# Altium PCB STM32F407开发板.PcbDoc (part 1 of 3)
Units mil, origin at the board's own origin, x right, y up, seen from the top; angles counter-clockwise.
Board outline 4744.49 x 3552.76 mil, 4 copper layers (Top Layer, GND02, PWR03, Bottom Layer), stack 30.595 mil thick; 184 components, 201 nets, 899 pads, 620 vias.
Unrouted connection lines stored in the file: 84.
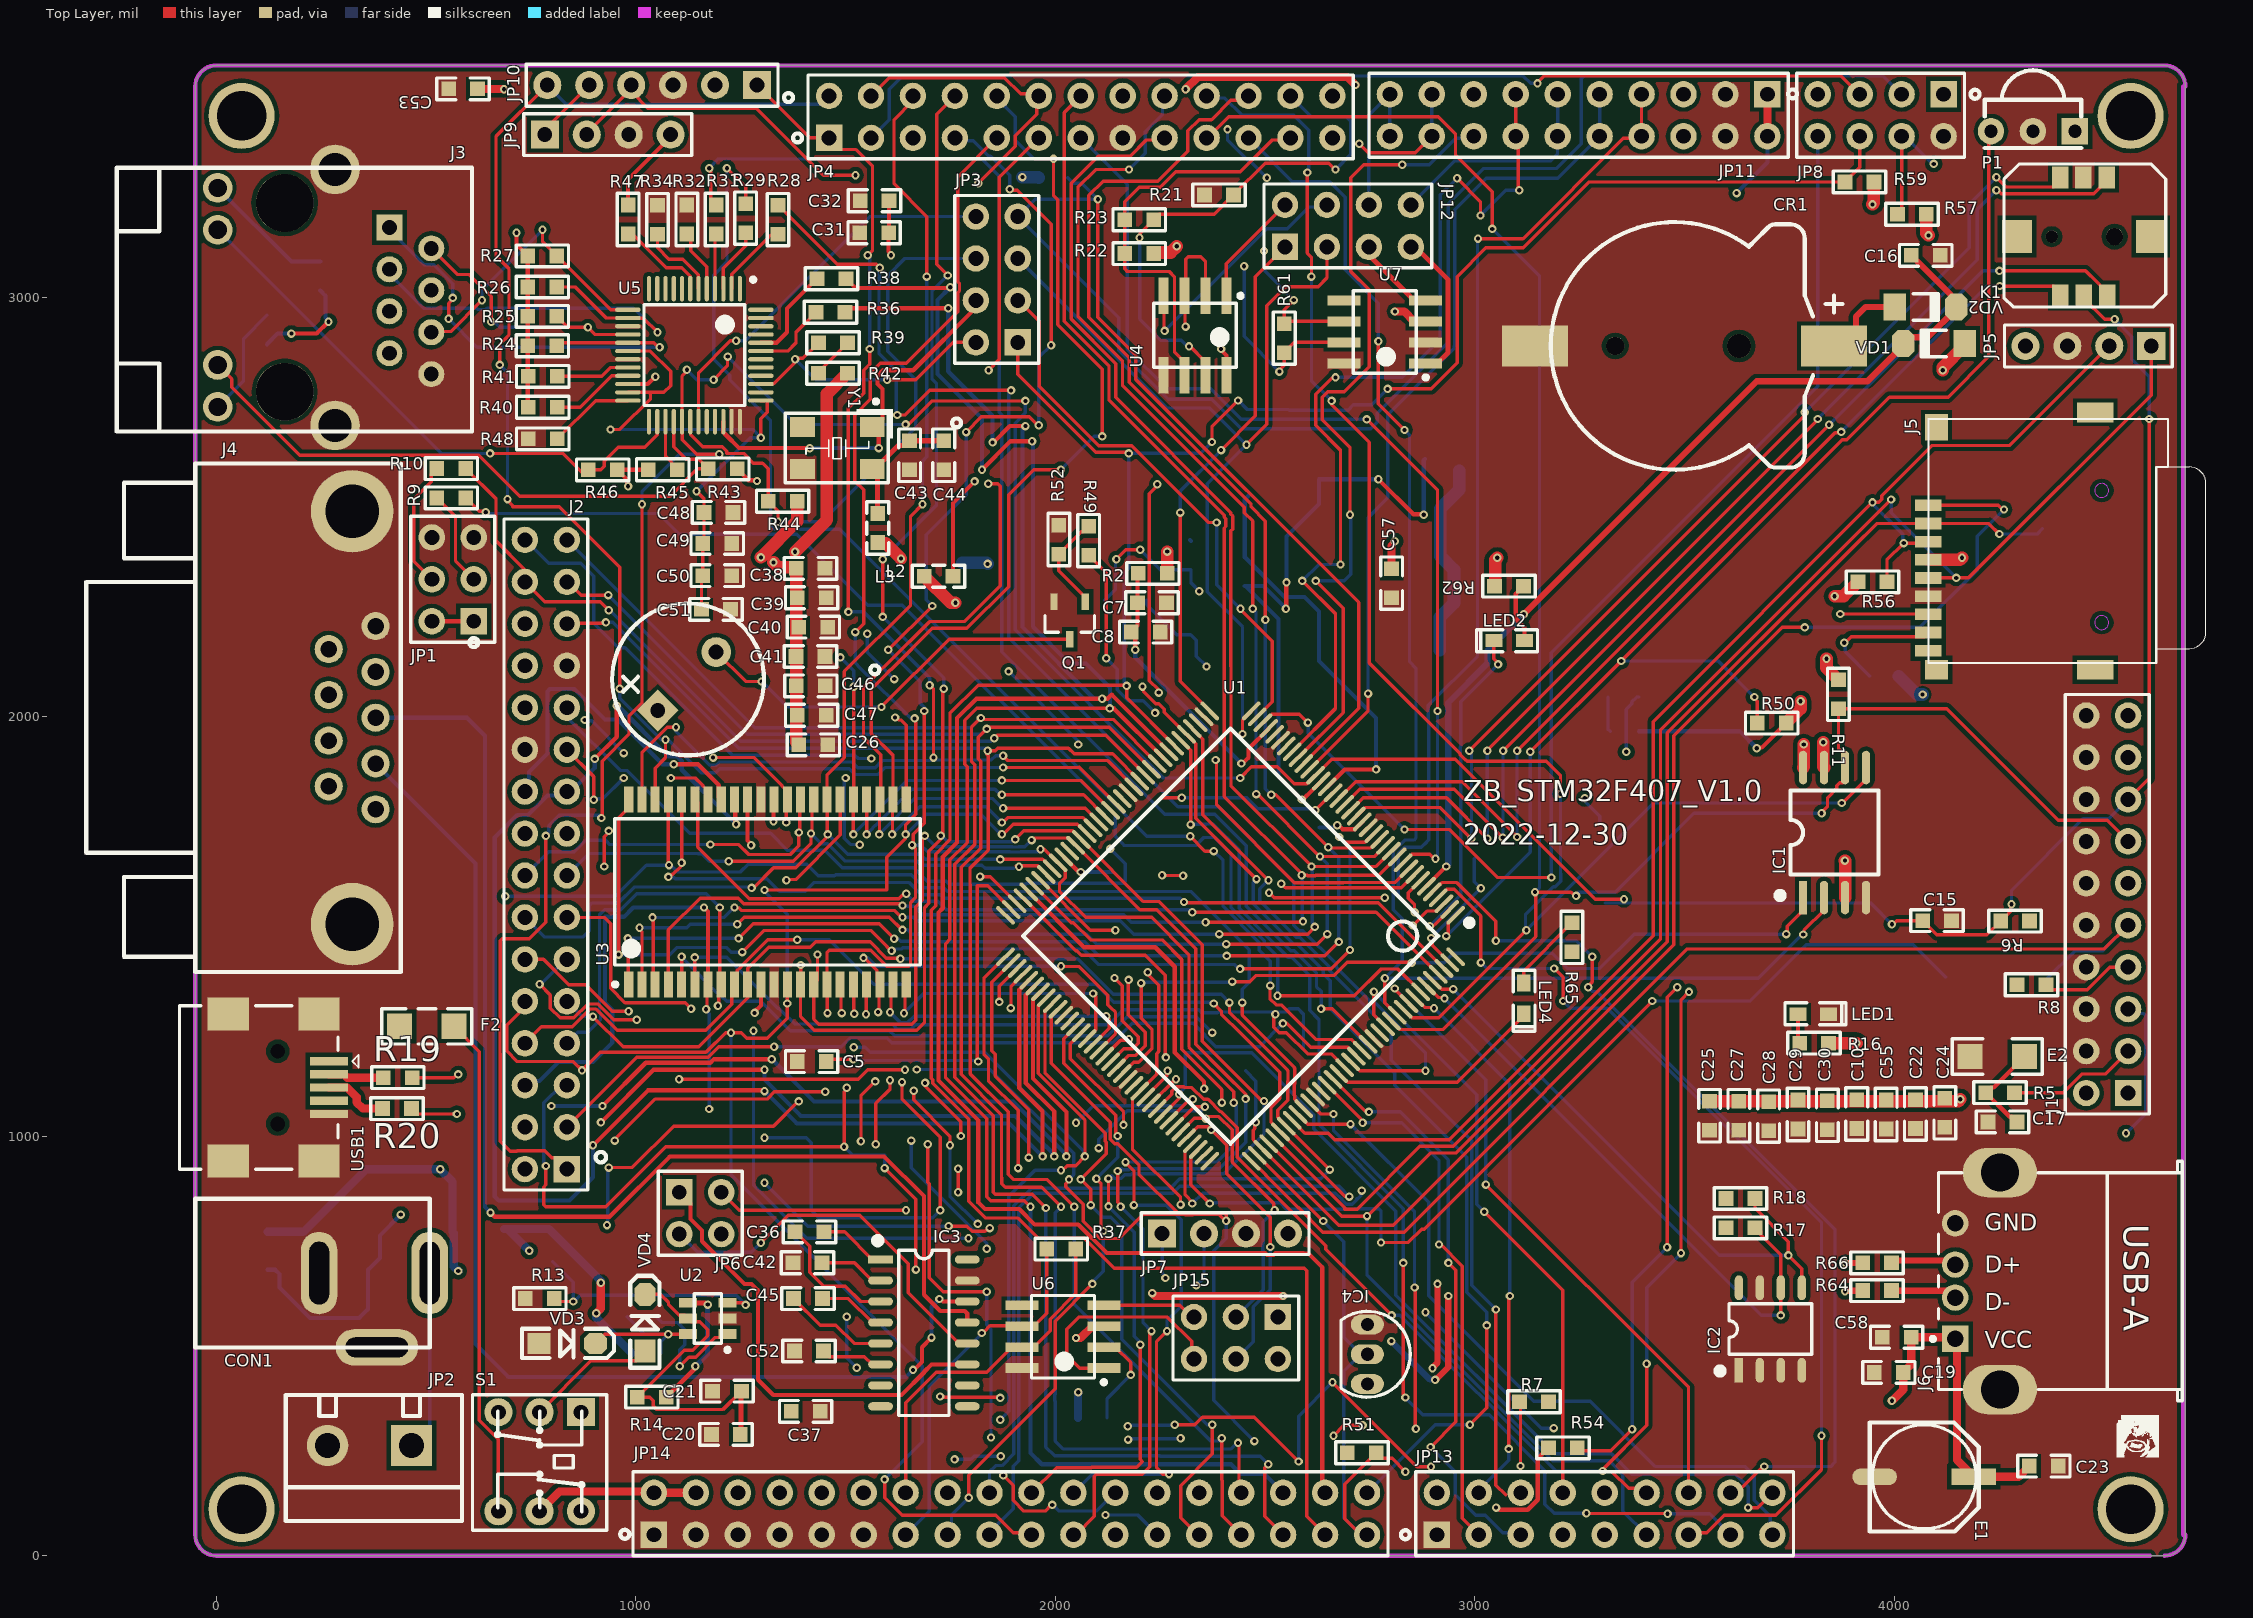
[diagram p0: Top Layer view]
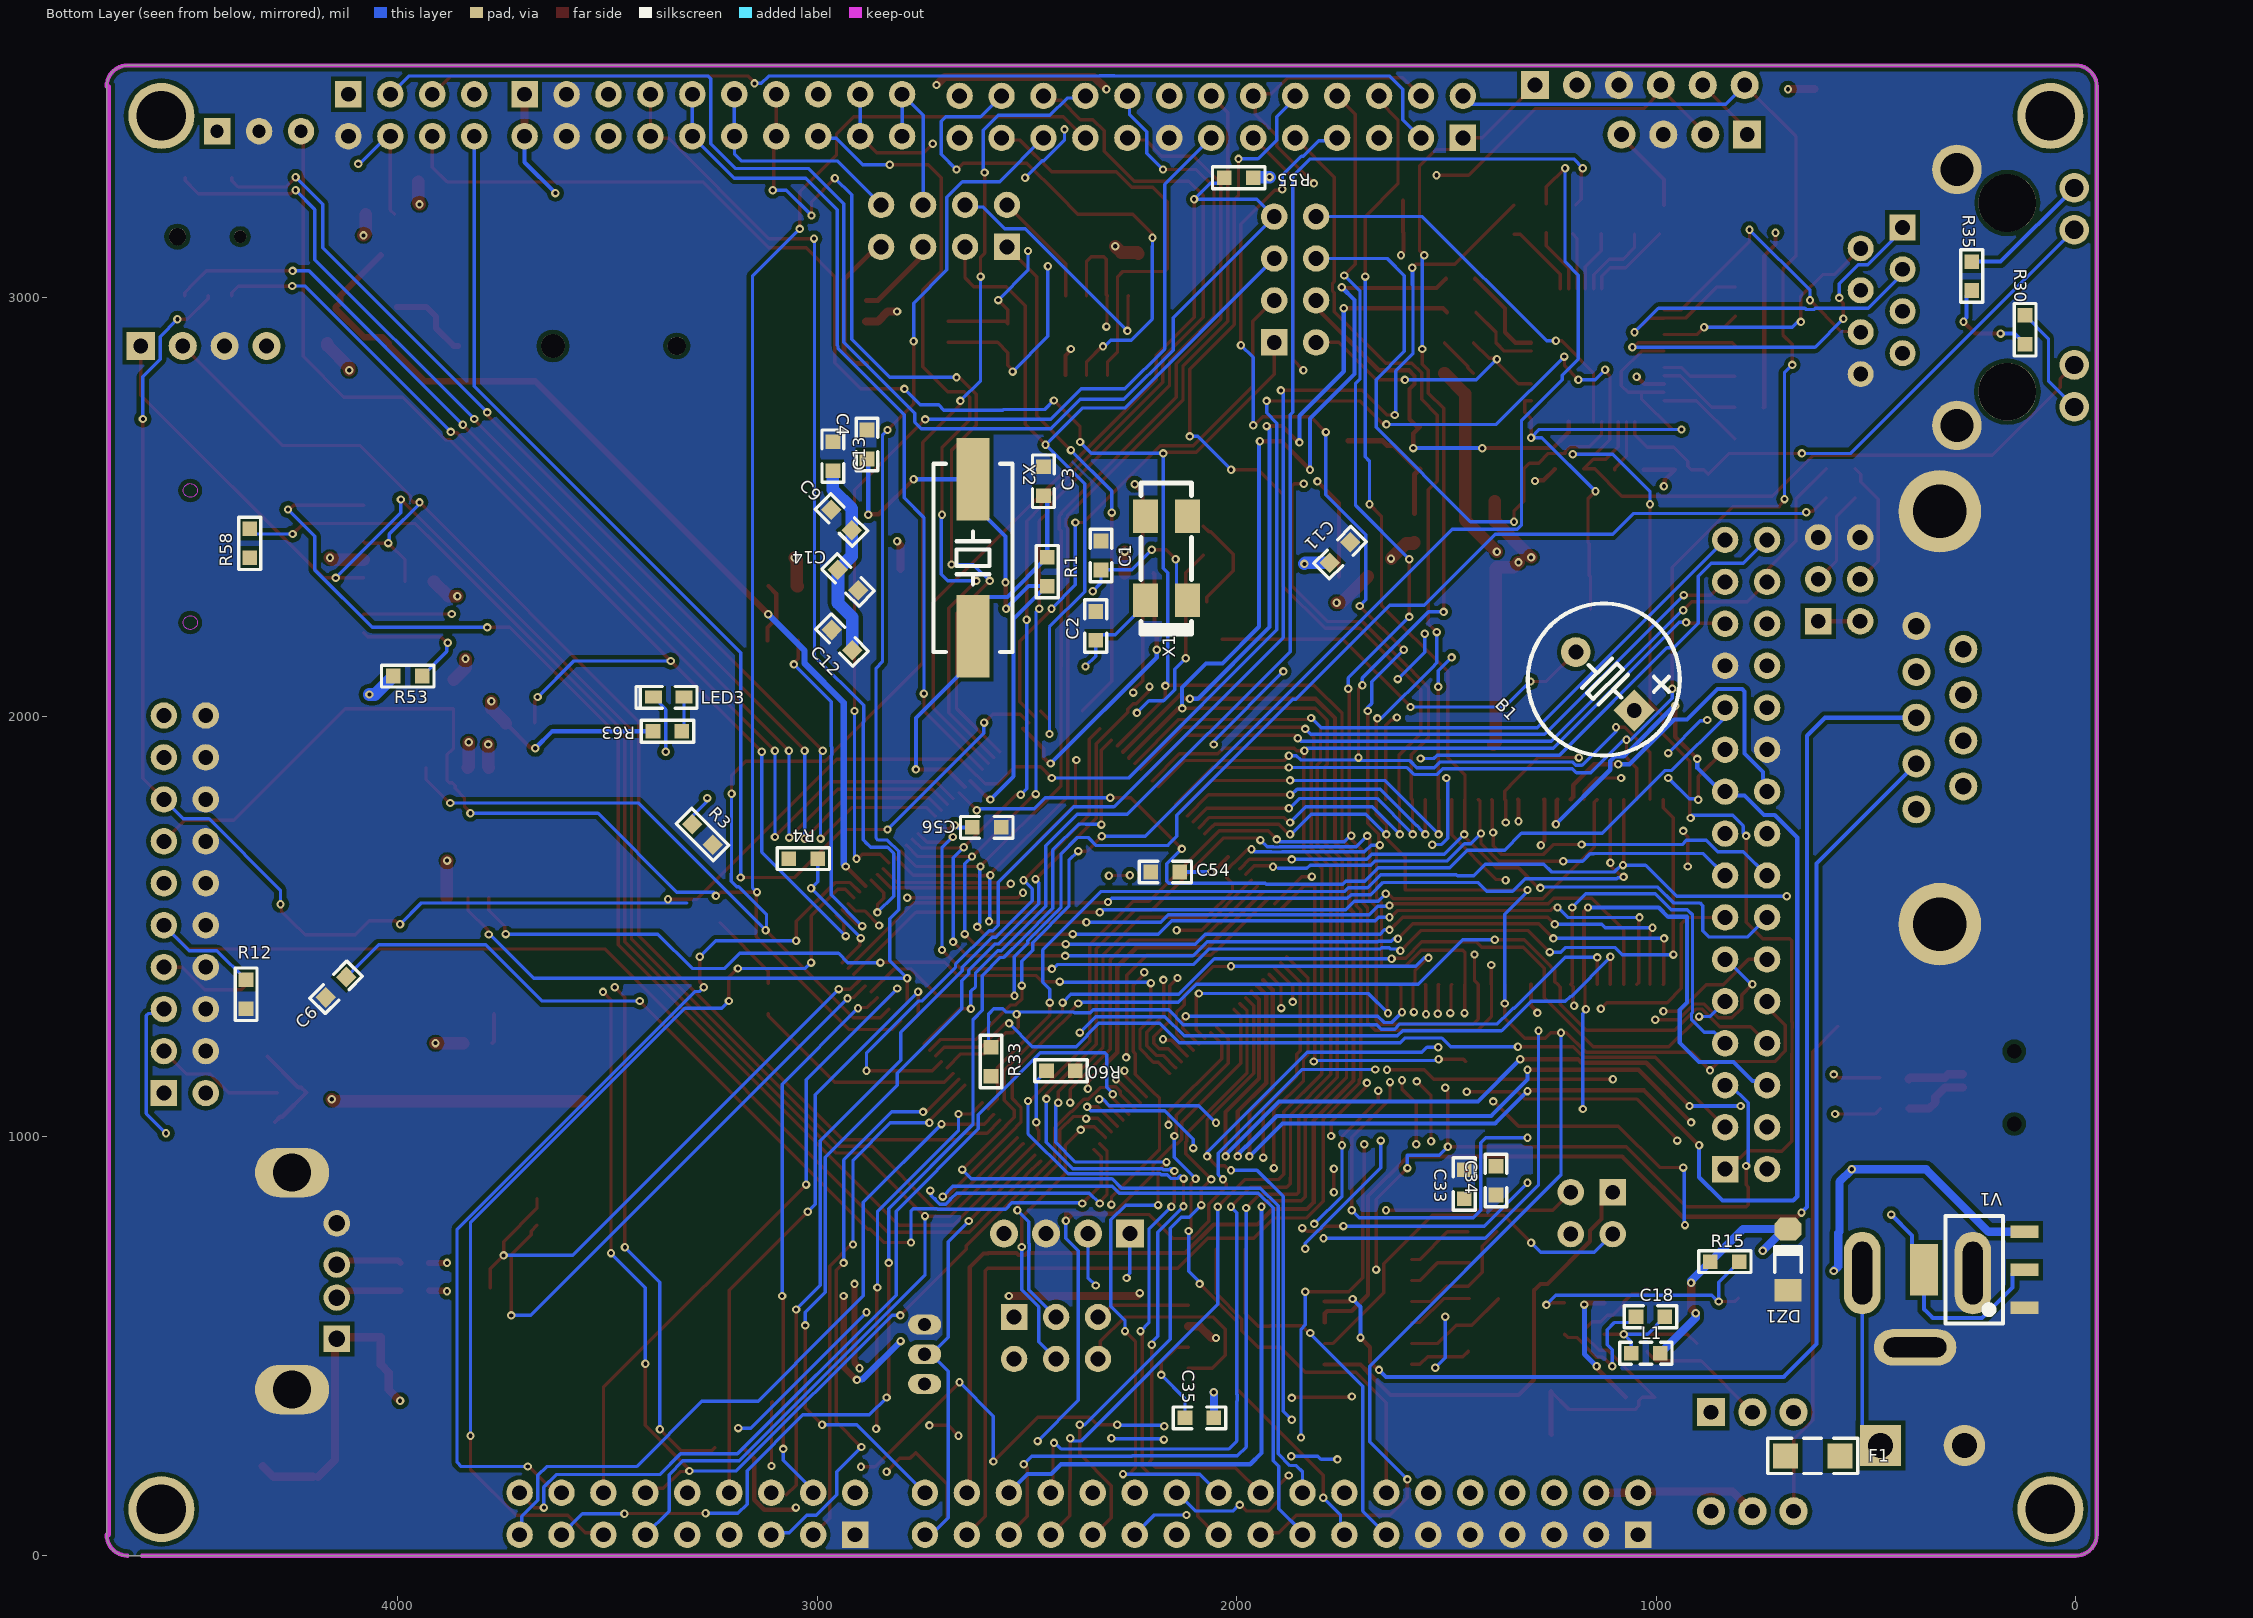
[diagram p1: Bottom Layer view, seen from below]
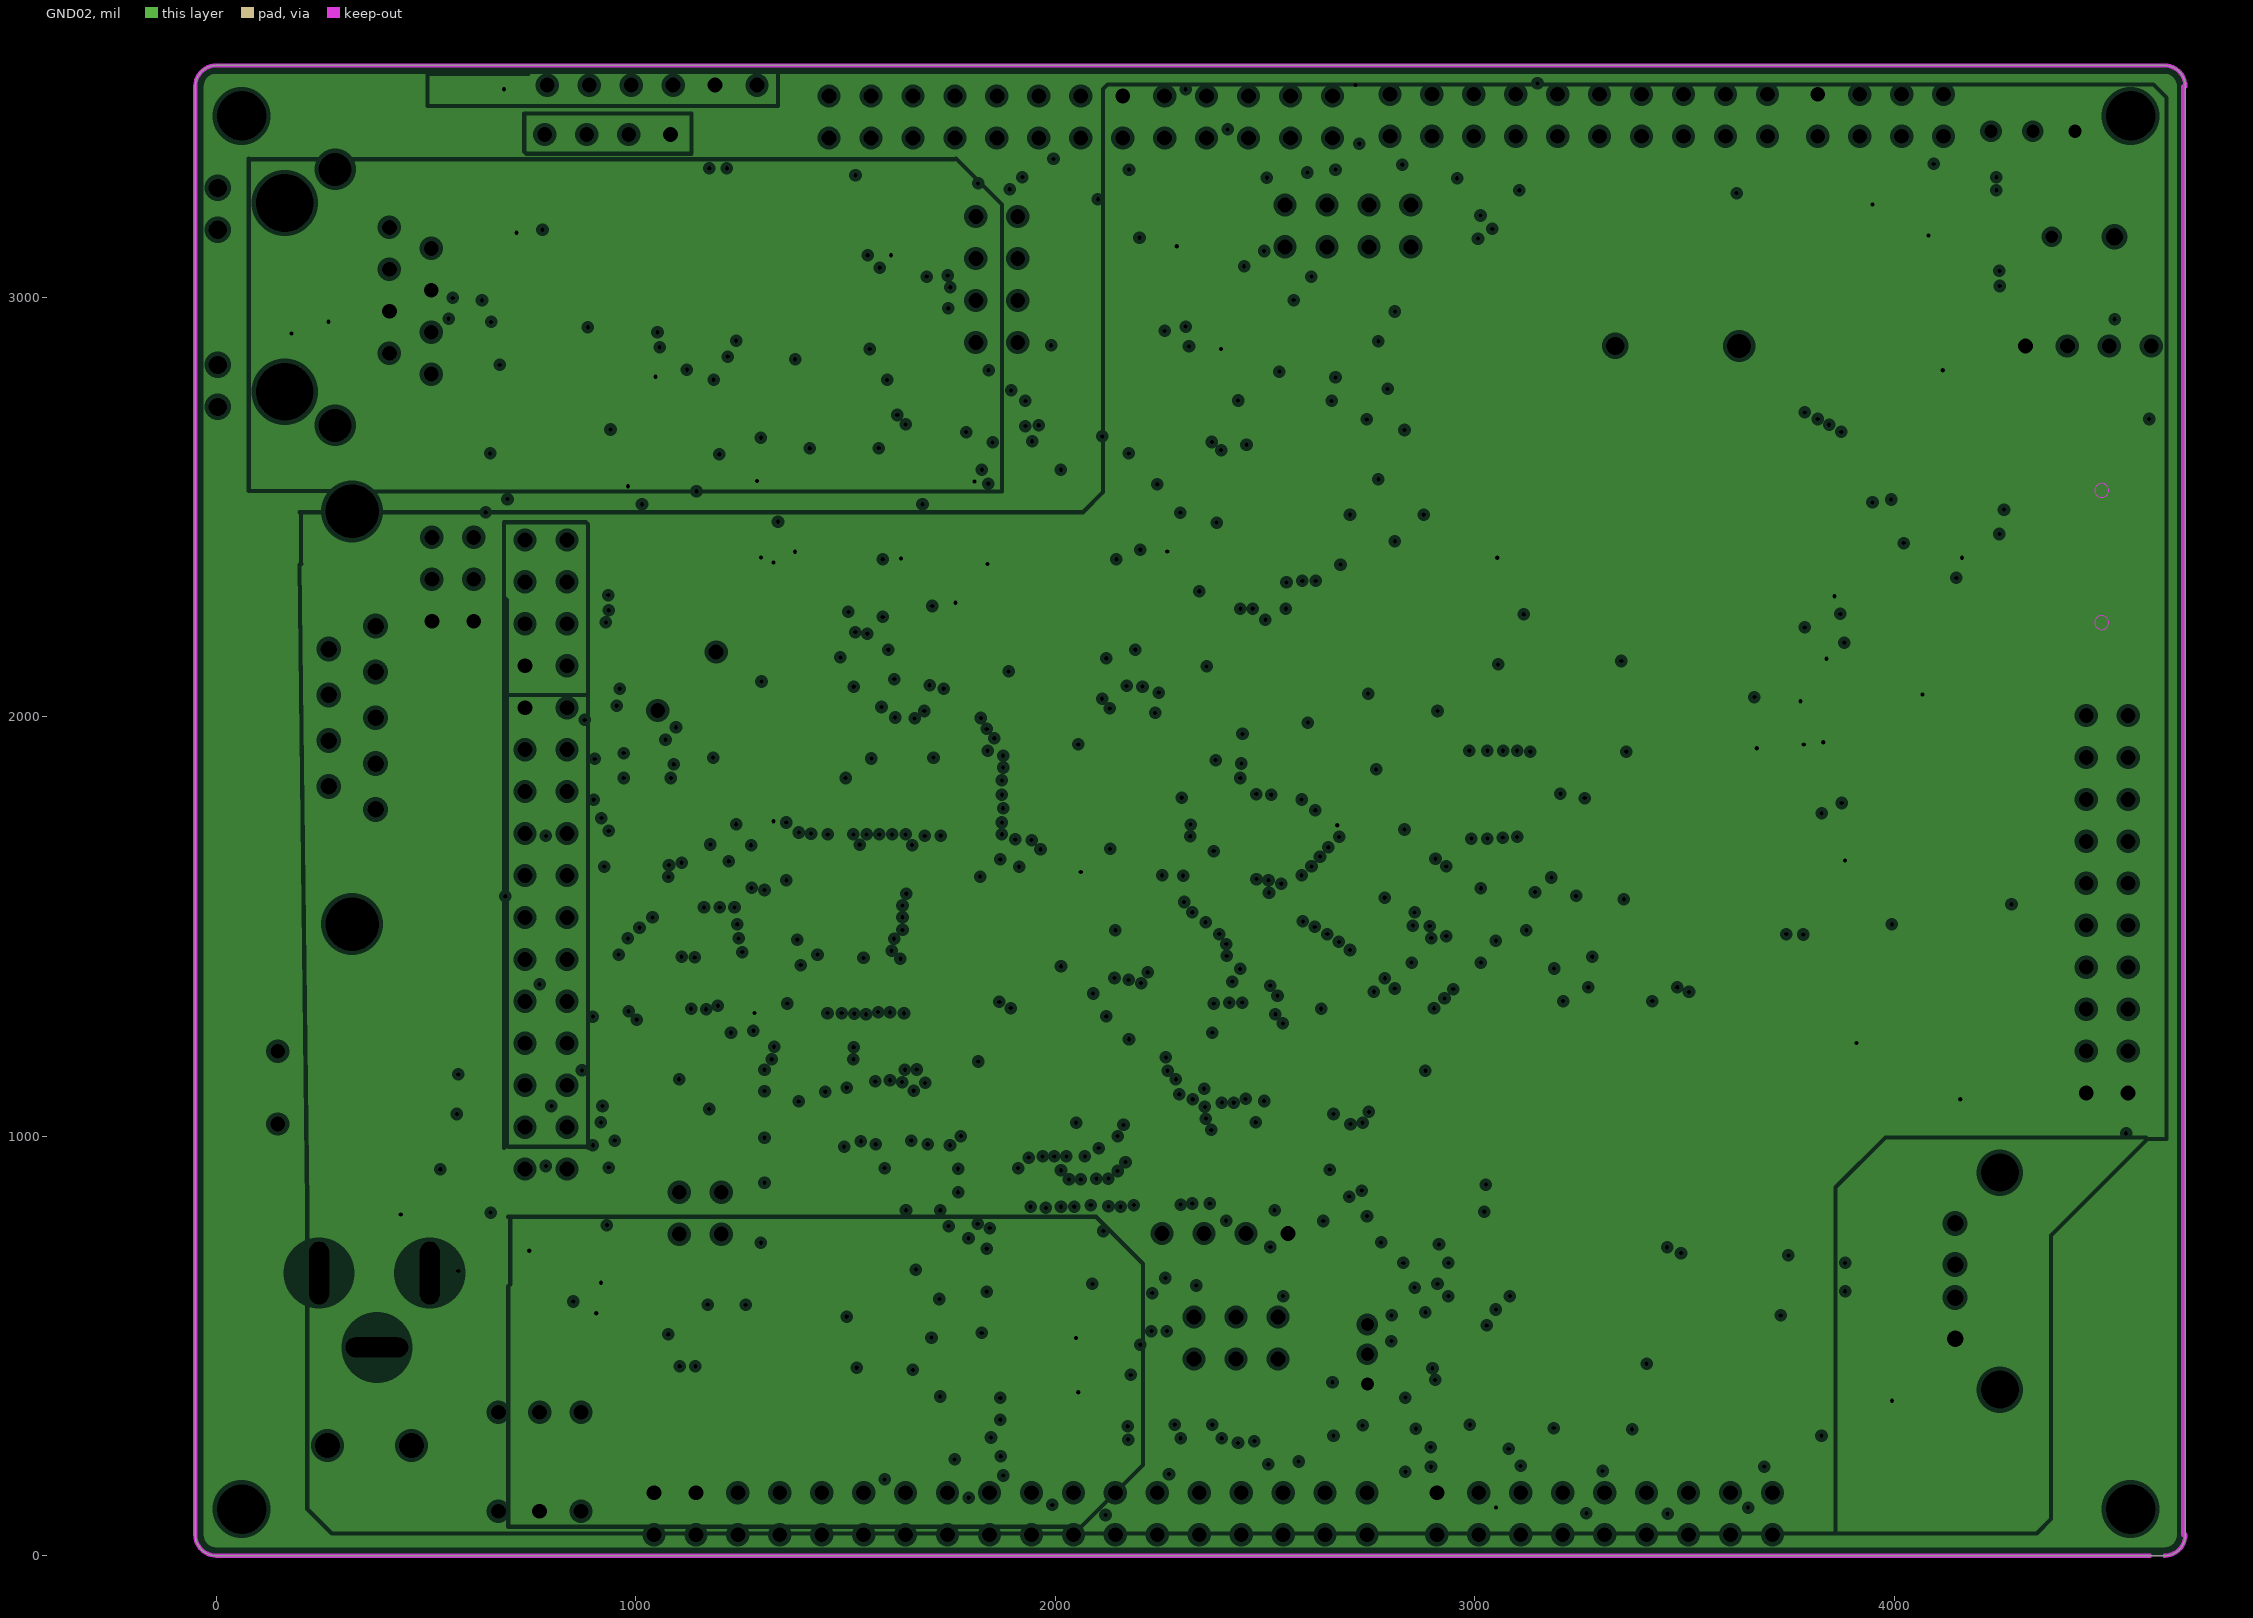
[diagram p2: GND02, clearances drawn from the general rule]